# Altium PCB PCB_Bluetooth_Device_nRF52820.PcbDoc (part 2 of 2)
Units mil, origin at the board's own origin, x right, y up, seen from the top; angles counter-clockwise.
Board outline 2593.5 x 2447.83 mil, 4 copper layers (Layer 1, Layer 2, Layer 3, Layer 4), stack 61.496 mil thick; 106 components, 60 nets, 322 pads, 357 vias.
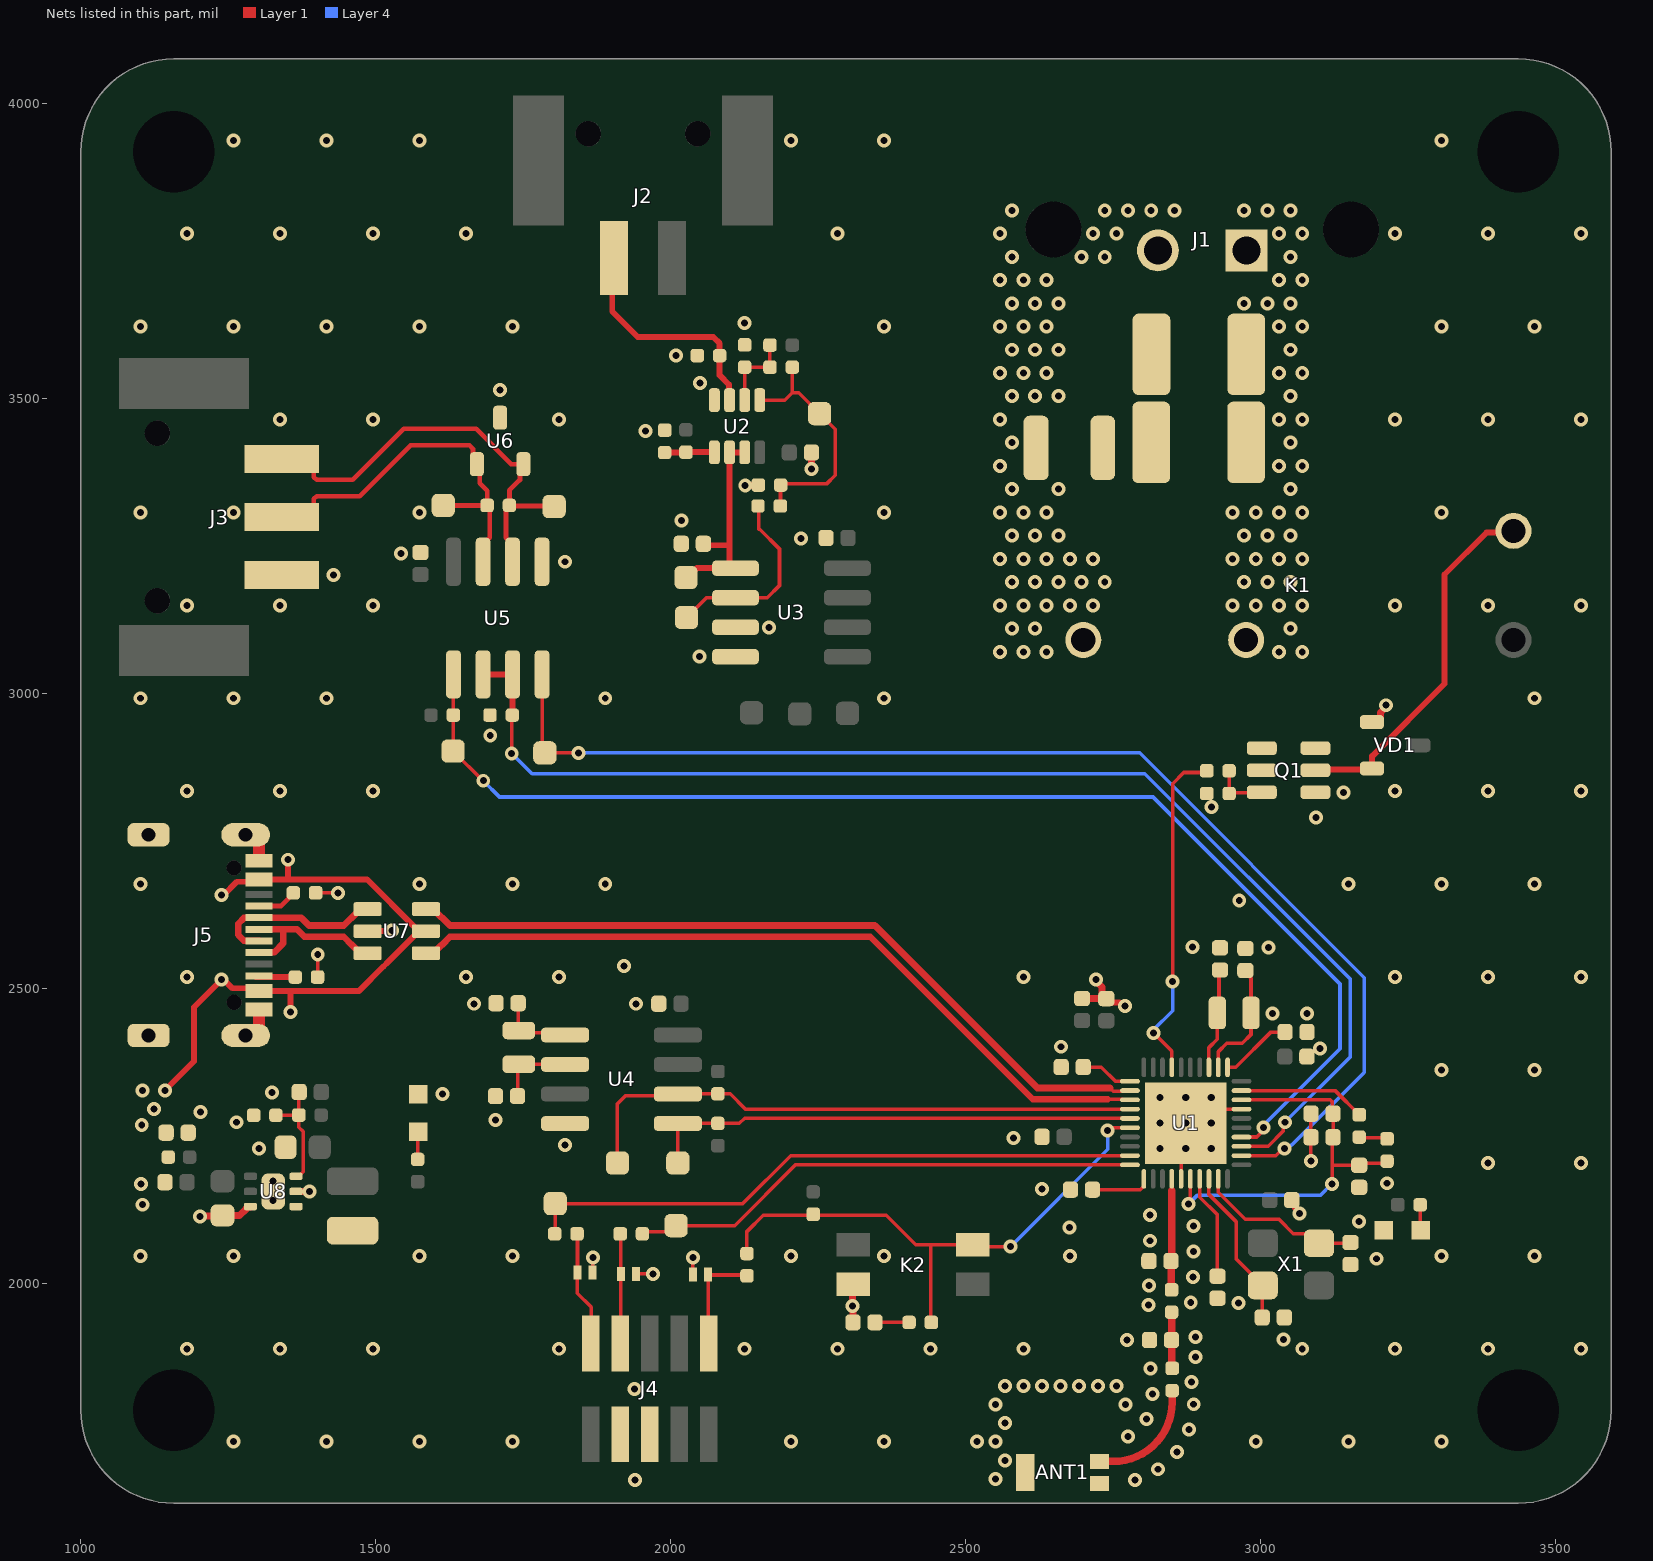
[diagram p4: the nets of this part, all layers, seen from the top]

## Via types
v1: diameter 23.62, hole 11.81, Layer 1 to Layer 4, tented both sides, 348 vias
v2: diameter 24, hole 12, Layer 1 to Layer 4, tented both sides, 9 vias

## Nets (pads, with @x,y where several pads share a name; then routed paths per layer and width w, separated by ;. In a path a pad name is that pad's centre, name@x,y a point inside that pad or via, vN(x,y) a via of type N, cw(c..) or ccw(c..) an arc to the next point about the centre after c; other vN are vias at no path point) (continued)
GND: ANT1.G1 ANT1.G2 C1.2 C2.1 C3.1 C4.1 C5.2 C6.1 C7.1 C8.1 C11.2 C12.1 C13.2 C14.1 C15.1 C16.1 C17.1 C18.1 C19.2 C20.1 C21.1 C22.1 C23.1 C24.1 C25.2 C26.1 C27.1 C28.2 C29.1 C30.1 C31.1 C33.1 J3.3 J4.3 J4.5 J5.A1_B12 J5.B1_A12 J5.SH1 J5.SH2 J5.SH3 J5.SH4 K2.1 Q1.3 R2.1 R6.1 R9.1 R11.1 R12.1 R22.1 R24.1 R25.1 R26.1 U1.25 U1.37 U1.41 U2.4 U3.3 U3.4 U4.4 U5.5 U6.3 U7.2 U8.2 U8.6 U8.7 VD1.1 VD2.1 VD3.2 VD4.2 VD5.2 VD6.1 | length 934.8
  Layer 1 w6: R25.1@1399.02,2662.4 v1(1437.01,2662.4) ; R26.1@1402.28,2519.68 1402.42,2519.82 1402.42,2557.93 v1(1402.56,2558.07) ; VD5.2@1868.11,2018.7 1868.6,2019.19 1868.6,2043.85 v1(1869.09,2044.34) ; VD4.2@1941.93,2016.73 v1(1970.47,2016.73) ; VD3.2@2038.39,2015.75 v1(2038.39,2044.34) ; v1(3085.63,2207.68) 3085.65,2248.19 C3.1@3085.67,2288.21
  Layer 1 w6.06: U1.25@2865.55,2177.71 2865.55,2221.02 v2(2873.42,2228.89) ; v2(2916.73,2315.5) 2936.42,2295.82 U1.37@2967.91,2295.82
  Layer 1 w10: U7.2@1487.2,2597.44 1487.7,2597.93 1528.05,2597.93 v1(1528.54,2598.43) ; C16.1@2738.84,2483.14 2745.75,2476.23 2761.22,2476.23 2766.98,2470.47 v1(2770.67,2470.47)
  Layer 1 w11.81: v1(1202.76,2114.17) 1203.58,2115 1240.31,2115 C31.1@1241.14,2115.83 1270.32,2115.83 1280.66,2126.17 1280.66,2127.51 1283.91,2130.76 U8.6@1288.57,2130.76 U8.6@1288.97,2130.37 ; U8.2@1365.74,2156.35 1365.81,2156.43 1388.71,2156.43 v1(1388.78,2156.5) ; v1(2126.97,3352.36) 2127.46,3352.85 2148.72,3352.85 R9.1@2149.21,3353.35 ; v1(2239.17,3380.91) C20.1@2239.17,3408.46 ; C28.2@2309.58,1934.48 2309.32,1934.74 2309.32,1962.33 v1(2309.06,1962.6) 2309.06,1998.17 K2.1@2309.91,1999.02 ; C18.1@2697.84,2483.44 2697.99,2483.29 C16.1@2738.36,2483.29 ; v1(2721.46,2515.75) 2721.46,2512.55 2731.49,2502.52 2731.49,2490.16 C16.1@2738.36,2483.29 ; C16.1@2738.84,2483.14 2738.51,2483.14 C16.1@2738.36,2483.29 ; C7.1@3053.15,2141.73 3059.71,2135.17 3059.71,2128.33 3065.92,2122.12 v1(3065.92,2118.93) ; VD1.1@3188.98,2951.77 3197.44,2951.77 3203.35,2957.68 3203.35,2967.87 3212.6,2977.12 v1(3212.6,2980.32)
  Layer 1 w20: J5.SH2@1280.51,2420.67 1289.58,2420.67 1303.15,2434.24 J5.B1_A12@1303.15,2464.76 ; J5.SH1@1280.51,2760.83 1289.58,2760.83 1303.15,2747.26 J5.A1_B12@1303.15,2716.73
  other v1: 1939.96,1667.32 2787.41,1667.41 2551.18,1669.29 2826.71,1685.59 2566.93,1700.79 2858.35,1715.16 1259.84,1732.28 1417.32,1732.28 1574.8,1732.28 1732.28,1732.28 2204.72,1732.28 2362.2,1732.28 2519.68,1732.28 2551.18,1732.29 2992.13,1732.28 3149.61,1732.28 3307.09,1732.28 2775.85,1740.9 2879.14,1753.16 2566.93,1763.78 2807.03,1770.96 2551.18,1795.28 2771.66,1795.28 2886.99,1795.74 2816.93,1813.12 1938.98,1821.85 2566.93,1826.77 2598.43,1826.77 2629.92,1826.77 2661.42,1826.77 2692.92,1826.77 2724.41,1826.77 2755.91,1826.77 2882.87,1833.66 2813.89,1856.32 2889.76,1875.98 1181.1,1889.76 1338.58,1889.76 1496.06,1889.76 1811.02,1889.76 2125.98,1889.76 2283.46,1889.76 2440.94,1889.76 2598.42,1889.76 3070.87,1889.76 3228.35,1889.76 3385.83,1889.76 3543.31,1889.76 2773.62,1904.53 3039.37,1905.51 2889.76,1909.45 2810.04,1963.58 2881.93,1968.2 2962.6,1967.52 2811.02,1997.05 2885.96,2011.32 3196.85,2042.32 1102.36,2047.24 1259.84,2047.24 1574.8,2047.24 1732.28,2047.24 2204.72,2047.24 2362.2,2047.24 2677.17,2047.24 3307.09,2047.24 3464.57,2047.24 2886.35,2054.63 2813.25,2072.84 2676.18,2095.47 2886.35,2097.93 3167.32,2105.32 2813.25,2116.15 1105.32,2133.86 1326.77,2140.75 2629.92,2160.43 1103.35,2169.29 3214.57,2170.28 1326.77,2174.21 3385.83,2204.72 3543.31,2204.72 1303.15,2229.33 1821.85,2235.24 2581.69,2247.05 1264.76,2273.62 1703.74,2277.56 1203.74,2291.34 1614.17,2321.85 1324.8,2323.82 3307.09,2362.2 3464.57,2362.2 3100.78,2398.41 2662.4,2401.57 3020.67,2457.68 3078.74,2457.68 1667.32,2474.41 1941.93,2474.41 1181.1,2519.68 1653.54,2519.68 1811.02,2519.68 2598.42,2519.68 3228.35,2519.68 3385.83,2519.68 3543.31,2519.68 1921.26,2538.39 3013.78,2569.88 2884.84,2570.87 2964.1,2649.14 1102.36,2677.17 1574.8,2677.17 1732.28,2677.17 1889.76,2677.17 3149.61,2677.17 3307.09,2677.17 3464.57,2677.17 3094.49,2790.35 2916.78,2807.53 3140.75,2832.68 1181.1,2834.65 1338.58,2834.65 1496.06,2834.65 3228.35,2834.65 3385.83,2834.65 3543.31,2834.65 1694.88,2929.13 1102.36,2992.13 1259.84,2992.13 1417.32,2992.13 1889.76,2992.13 2362.2,2992.13 3464.57,2992.13 2049.21,3062.99 2167.32,3112.2 1181.1,3149.61 1338.58,3149.61 1496.06,3149.61 3228.35,3149.61 3385.83,3149.61 3543.31,3149.61 1429.13,3200.79 1821.85,3223.43 1543.31,3237.2 2221.46,3262.8 2018.7,3293.31 1102.36,3307.09 1259.84,3307.09 1574.8,3307.09 2362.2,3307.09 3307.09,3307.09 1957.68,3444.88 1338.58,3464.57 1496.06,3464.57 1811.02,3464.57 3228.35,3464.57 3385.83,3464.57 3543.31,3464.57 1711.61,3514.76 2050.2,3526.57 2009.84,3572.83 1102.36,3622.05 1259.84,3622.05 1417.32,3622.05 1574.8,3622.05 1732.28,3622.05 2362.2,3622.05 3307.09,3622.05 3464.57,3622.05 2125.98,3627.95 1181.1,3779.53 1338.58,3779.53 1496.06,3779.53 1653.54,3779.53 2283.46,3779.53 3228.35,3779.53 3385.83,3779.53 3543.31,3779.53 1259.84,3937.01 1417.32,3937.01 1574.8,3937.01 2204.72,3937.01 2362.2,3937.01 3307.09,3937.01
  other v2: 2830.12,2228.89 2916.73,2228.89 2830.12,2272.2 2873.42,2272.2 2916.73,2272.2 2830.12,2315.5 2873.42,2315.5
I2C_SCL: R20.2 TP10.1 U1.14 U4.6 | length 986.6
  Layer 1 w6: TP10.1@1910.43,2204.72 1910.43,2305.12 1924.21,2318.9 2010.24,2318.9 U4.6@2012.8,2321.46 2012.99,2321.65 2080.51,2321.65 R20.2@2080.71,2321.85 2101.38,2321.85 2127.41,2295.82 U1.14@2778.94,2295.82
I2CSDA: R19.2 TP11.1 U1.15 U4.5 | length 836.9
  Layer 1 w6: TP11.1@2012.8,2204.72 U4.5@2012.8,2271.46 2012.89,2271.56 2080.61,2271.56 R19.2@2080.71,2271.65 2117.13,2271.65 2126.13,2280.65 2749.76,2280.65 2750.34,2280.07 U1.15@2778.94,2280.07
NetANT1_FEED: ANT1.FEED L4.2 | length 200.2
  Layer 1 w12.65: ANT1.FEED@2727.36,1698.82 2750.39,1698.82 ccw(c2750.39,1798.82) 2850.39,1798.82 L4.2@2850.39,1818.9
NetC1_1: C1.1 U1.29 X1.3 | length 273
  Layer 1 w6: U1.29@2928.54,2177.71 2928.54,2155.12 2974.41,2109.25 3031.5,2109.25 3055.83,2084.92 3083.1,2084.92 X1.3@3099.3,2068.72 C1.1@3143.16,2068.72
NetC2_2: C2.2 C3.2 C13.1 L1.2 U1.26 U1.38 | length 693.4
  Layer 1 w6: v1(2877.78,2134.74) 2880.94,2137.89 2880.94,2177.35 U1.26@2881.3,2177.71 ; U1.38@2967.91,2311.57 3118.53,2311.57 3122.05,2308.05 3122.05,2289.24 C3.2@3123.07,2288.21 C2.2@3123.07,2248.21 3122.07,2247.21 3122.07,2199.8 ; v1(3121.06,2169.29) 3122.07,2170.29 3122.07,2199.8 ; L1.2@3214.57,2207.68 3211.12,2204.23 3170.77,2204.23 C13.1@3167.32,2200.79 3123.05,2200.79 3122.07,2199.8
  Layer 4 w6: v1(2877.78,2134.74) 2892.65,2149.61 3101.38,2149.61 v1(3121.06,2169.29)
NetC4_2: C4.2 U1.2 X2.1 | length 206
  Layer 1 w6: U1.2@2928.9,2367.04 2928.9,2393.47 2942.91,2407.48 2969.34,2407.48 2984.07,2422.21 X2.1@2984.07,2458.85 2984.07,2517.22 2982.96,2518.33 2982.96,2522.26 C4.2@2974.5,2530.73
NetC5_1: C5.1 U1.28 X1.1 | length 271.5
  Layer 1 w6: U1.28@2912.79,2177.71 2912.79,2151.25 2958.66,2105.38 2958.66,2042.43 X1.1@3004.02,1997.06 ; C5.1@3002.96,1942.89 X1.1@3002.96,1996
NetC8_2: C8.2 U1.3 X2.2 | length 172.8
  Layer 1 w6: U1.3@2912.79,2366.69 2912.79,2400.21 2926.98,2414.4 X2.2@2926.98,2458.85 2929.8,2461.67 2929.8,2530.03 C8.2@2931.5,2531.73
NetC9_1: C9.1 C10.1 R3.2
NetC11_1: C11.1 U1.27 | length 177.4
  Layer 1 w6: U1.27@2897.05,2177.71 2897.05,2146.72 2927.17,2116.6 C11.1@2927.17,2012.8
NetC12_2: C12.2 U1.1 | length 122
  Layer 1 w6.06: U1.1@2944.29,2366.69 2958.12,2366.69 3017.91,2426.48 C12.2@3041.53,2426.48
NetC14_2: C14.2 L3.1 U1.24 | length 189.1
  Layer 1 w6.89: 2849.8,2157.67 U1.24@2849.8,2177.71
  Layer 1 w12.64: L3.1@2849.41,1989.57 2848.92,1990.06 2848.92,2037.89 C14.2@2848.43,2038.39 2849.41,2039.37 2849.41,2157.28 2849.8,2157.67
NetC15_2: C15.2 L3.2 L4.1 | length 95.5
  Layer 1 w12.65: L3.2@2849.41,1951.77 C15.2@2849.41,1904.53 2849.9,1904.04 2849.9,1857.18 L4.1@2850.39,1856.69
NetC17_2: C17.2 U1.21 | length 101.8
  Layer 1 w6.06: C17.2@2715.55,2159.45 2796.6,2159.45 2802.56,2165.4 U1.21@2802.56,2177.71
NetC22_2: C22.2 U1.11 | length 89.1
  Layer 1 w6: C22.2@2699.8,2367.13 2730.32,2367.13 2754.38,2343.06 U1.11@2778.94,2343.06
NetC26_2: C26.2 U4.1 X3.2 | length 128.5
  Layer 1 w6: C26.2@1742.13,2475.39 1742.13,2430.2 X3.2@1743.32,2429 1747.09,2425.23 1818.08,2425.23 U4.1@1821.85,2421.46
NetC27_2: C27.2 U4.2 X3.1 | length 133.6
  Layer 1 w6: C27.2@1741.14,2317.91 1741.14,2369.73 X3.1@1743.32,2371.91 1743.55,2371.69 1821.62,2371.69 U4.2@1821.85,2371.46
NetC28_1: C28.1 R18.2 | length 57.6
  Layer 1 w6: C28.1@2346.98,1934.48 R18.2@2404.6,1934.48
NetC32_1: C32.1 R23.1 R24.2 U8.3 | length 192.9
  Layer 1 w6: R24.2@1331.69,2285.43 1331.9,2285.64 1370.24,2285.64 R23.1@1370.45,2285.85 ; U8.3@1365.74,2181.95 1370.38,2181.95 1377.95,2189.51 1377.95,2257.87 1370.45,2265.38 R23.1@1370.45,2285.85 ; C32.1@1371.06,2324.8 1370.76,2324.5 1370.76,2286.16 R23.1@1370.45,2285.85
NetJ2_2: J2.2 R11.2 U2.3 | length 406.6
  Layer 1 w10: J2.2@1905.51,3745.08 1901.57,3741.14 1901.57,3647.64 1944.83,3604.38 2072.79,3604.38 2083.66,3593.5 R11.2@2083.66,3572.83 2083.66,3539.46 2099.26,3523.87 2099.26,3498.46 U2.3@2100.35,3497.37
NetJ4_2: J4.2 R14.1 VD5.1 | length 200.2
  Layer 1 w6: R14.1@1842.91,2088.58 1842.72,2088.39 1842.72,2018.9 VD5.1@1842.52,2018.7 1842.52,1983.86 1865.95,1960.43 1865.95,1899.61 J4.2@1864.96,1898.62
NetJ4_4: J4.4 R17.1 VD4.1 | length 157.2
  Layer 1 w6: J4.4@1914.96,1939.96 J4.4@1915.35,1940.35 ; R17.1@1914.96,2084.65 1915.65,2083.96 1915.65,2017.42 VD4.1@1916.34,2016.73 J4.4@1916.34,1928.54
NetJ4_10: J4.10 R21.1 VD3.1 | length 158.3
  Layer 1 w6: J4.10@2062.99,1941.93 J4.10@2064.96,1939.96 ; J4.10@2063.98,1930.12 VD3.1@2063.98,2015.75 2064.96,2014.76 R21.1@2133.46,2014.76
NetJ5_A5: J5.A5 R25.2 | length 68.2
  Layer 1 w7.87: J5.A5@1303.15,2639.96 1340.22,2639.96 1345.79,2645.53 1345.79,2645.89 1361.22,2661.32 R25.2@1361.22,2662.4
NetJ5_B5: J5.B5 R26.2 | length 67.6
  Layer 1 w10.26: J5.B5@1297.24,2520.87 1298.02,2520.09 R26.2@1364.49,2520.09
NetK1_4: K1.4 Q1.2 VD1.2 | length 624.1
  Layer 1 w10: Q1.2@3093.24,2870.17 3094.67,2871.6 3187.55,2871.6 3189.26,2873.32 3189.26,2893.98 3312.01,3016.73 3312.01,3201.77 3383.3,3273.06 3426.11,3273.06 K1.4@3428.8,3275.75
NetL1_1: L1.1 L2.2 | length 48.5
  Layer 1 w6: L2.2@3167.37,2248.53 3168.9,2247 3213.04,2247 L1.1@3214.57,2245.47
NetL2_1: L2.1 U1.39 | length 216.4
  Layer 1 w6: U1.39@2967.91,2327.32 3126.38,2327.32 L2.1@3167.37,2286.32
NetL5_1: L5.1 U8.1
NetQ1_1: Q1.1 R1.2 R2.2 | length 94.7
  Layer 1 w6: R1.2@2946.85,2869.09 R2.2@2946.85,2830.71 2947.88,2831.74 3001.27,2831.74 Q1.1@3002.3,2832.77
NetR4_1: R4.1 R5.1 R6.2 U2.2 | length 136.1
  Layer 1 w6: U2.2@2125.96,3497.39 R6.2@2125.98,3553.15 ; R6.2@2125.98,3553.15 R5.1@2168.9,3553.15 R4.1@2168.9,3590.55
NetR7_2: R7.2 TP4.1 U3.2 | length 330.7
  Layer 1 w6: TP4.1@2027.56,3128.94 2061.22,3162.6 U3.2@2110.43,3162.6 2164.57,3162.6 2185.04,3183.07 2185.04,3245.08 2151.57,3278.54 2150.17,3278.54 2150.17,3316.37 R7.2@2148.62,3317.91
NetR8_2: R8.2 VD2.2 | length 43.7
  Layer 1 w6: R8.2@3270.67,2133.86 3270.67,2091.54 VD2.2@3271.65,2090.55
NetR10_1: R10.1 R12.2 U2.5 | length 84.7
  Layer 1 w10: R12.2@1990.46,3408.55 1990.75,3408.84 2026.18,3408.84 R10.1@2026.46,3409.13 2074.42,3409.13 U2.5@2074.76,3408.79
NetR27_2: R27.2 VD6.2 | length 47.7
  Layer 1 w6.06: R27.2@1571.85,2210.63 1571.85,2256.89 VD6.2@1572.83,2257.87
nRESET: K2.4 R15.1 R18.1 R21.2 U1.16 | length 955.2
  Layer 1 w6: R21.2@2129.92,2051.18 2129.92,2088.58 2157.48,2116.14 2365.72,2116.14 2415.92,2065.94 2441.07,2065.94 ; R18.1@2442.39,1934.48 2441.07,1935.8 2441.07,2065.94 ; K2.4@2512.2,2066.4 K2.4@2512.66,2065.95 ; v1(2576.77,2062.99) 2515.61,2062.99 K2.4@2512.66,2065.95 ; v1(2741.14,2259.84) 2745.91,2259.84 2750.39,2264.32 U1.16@2778.94,2264.32 ; 2441.07,2065.94 2446.85,2065.94 K2.4@2512.66,2065.95
  Layer 4 w6: v1(2576.77,2062.99) 2741.47,2227.69 2741.47,2259.51 v1(2741.14,2259.84)
OUTPUT_TEMP: R5.2 R7.1 R9.2 TP1.1 U2.1 | length 414.6
  Layer 1 w6: U2.1@2151.53,3497.37 2194.22,3497.37 2206.69,3509.84 ; R7.1@2186.71,3318.21 2186.71,3353.05 R9.2@2187.01,3353.35 2188.98,3355.31 2264.76,3355.31 2279.53,3370.08 2279.53,3447.83 TP1.1@2252.95,3474.41 2217.52,3509.84 2206.69,3509.84 ; R5.2@2206.69,3553.15 2206.69,3509.84
Phase_220ACV_IN: C9.2 C10.2 J1.1 K1.2
  other v1: 3031.5,3070.87 3070.87,3070.87 3051.18,3110.24 2952.76,3149.61 2992.13,3149.61 3031.5,3149.61 3070.87,3149.61 2972.44,3188.98 3011.81,3188.98 3051.18,3188.98 2952.76,3228.35 2992.13,3228.35 3031.5,3228.35 3070.87,3228.35 2972.44,3267.72 3011.81,3267.72 3051.18,3267.72 2952.76,3307.09 2992.13,3307.09 3031.5,3307.09 3070.87,3307.09 3051.18,3346.46 3031.5,3385.83 3070.87,3385.83 3051.18,3425.2 3031.5,3464.57 3070.87,3464.57 3051.18,3503.94 3031.5,3543.31 3070.87,3543.31 3051.18,3582.68 3031.5,3622.05 3070.87,3622.05 2972.44,3661.42 3011.81,3661.42 3051.18,3661.42 3031.5,3700.79 3070.87,3700.79 3051.18,3740.16 3031.5,3779.53 3070.87,3779.53 2972.44,3818.9 3011.81,3818.9 3051.18,3818.9
Phase_220ACV_OUT: J1.2 K1.1 R3.1
  other v1: 2559.06,3070.87 2598.43,3070.87 2637.8,3070.87 2578.74,3110.24 2618.11,3110.24 2559.06,3149.61 2598.43,3149.61 2637.8,3149.61 2677.17,3149.61 2716.54,3149.61 2578.74,3188.98 2618.11,3188.98 2657.48,3188.98 2696.85,3188.98 2736.22,3188.98 2559.06,3228.35 2598.43,3228.35 2637.8,3228.35 2677.17,3228.35 2716.54,3228.35 2578.74,3267.72 2618.11,3267.72 2657.48,3267.72 2559.06,3307.09 2598.43,3307.09 2637.8,3307.09 2578.74,3346.46 2657.48,3346.46 2559.06,3385.83 2578.74,3425.2 2559.06,3464.57 2578.74,3503.94 2618.11,3503.94 2657.48,3503.94 2559.06,3543.31 2598.43,3543.31 2637.8,3543.31 2578.74,3582.68 2618.11,3582.68 2657.48,3582.68 2559.06,3622.05 2598.43,3622.05 2637.8,3622.05 2578.74,3661.42 2618.11,3661.42 2657.48,3661.42 2559.06,3700.79 2598.43,3700.79 2637.8,3700.79 2578.74,3740.16 2696.85,3740.16 2736.22,3740.16 2559.06,3779.53 2716.54,3779.53 2755.91,3779.53 2578.74,3818.9 2736.22,3818.9 2775.59,3818.9 2814.96,3818.9 2854.33,3818.9
Relay_Switch: R1.1 U1.7 | length 567.4
  Layer 1 w6: v1@2823.35,2420.75 2849.8,2394.29 U1.7@2849.8,2366.69 ; v1(2851.38,2512.18) 2851.38,2847.44 2870.27,2866.33 2906.29,2866.33 R1.1@2909.05,2869.09
  Layer 4 w6: v1(2818.9,2425.2) 2818.9,2430.12 2851.38,2462.6 v1(2851.38,2512.18)
RS485_DI: TP13.1 U1.32 U5.4 | length 2109.8
  Layer 1 w6: U5.4@1782.68,3032.48 1782.68,2904.33 TP13.1@1787.4,2899.61 v1(1844.49,2899.61) ; U1.32@2967.91,2217.08 3026.13,2217.08 3039.36,2230.31 v1(3040.65,2229.03)
  Layer 4 w6: v1(1844.49,2899.61) 1874.02,2899.61 2795.28,2899.61 3176.18,2518.7 3176.18,2358.06 3052.62,2234.49 3050.87,2234.49 3045.41,2229.03 v1(3040.65,2229.03)
RS485_DIR: R22.2 U1.33 U5.2 U5.3 | length 2149.7
  Layer 1 w6: v1@1731.49,2898.81 1731.49,2962.01 R22.2@1732.67,2963.19 ; U1.33@2967.91,2232.83 3012.97,2232.83 3038.84,2258.69 3038.84,2271.12 v1(3041.34,2273.62)
  Layer 1 w10: U5.2@1682.38,3032.19 U5.2@1682.68,3032.48 U5.3@1732.68,3032.48 1732.48,3032.28 R22.2@1732.48,2963.78
  Layer 4 w6: v1(1731.3,2898.62) 1765.75,2864.17 2804.13,2864.17 3152.56,2515.75 3152.56,2384.84 v1(3041.34,2273.62)
RS485_RO: R13.1 TP7.1 U1.34 U5.1 | length 2140.3
  Layer 1 w6.06: U5.1@1632.68,3032.48 1632.48,3032.28 1632.48,2963.78 R13.1@1632.28,2963.58 1632.28,2902.95 TP7.1@1631.89,2902.56 1632.38,2902.56 1682.58,2852.36 v1(1683.07,2852.36) ; U1.34@2967.91,2248.58 2993.74,2248.58 3001.56,2256.4 3001.56,2261.4 v1(3004.92,2264.76)
  Layer 4 w6.06: v1(1683.07,2852.36) 1710.63,2824.8 2817.91,2824.8 3134.84,2507.87 3134.84,2398.16 3004.92,2268.24 v1(3004.92,2264.76)
RS485Output_N: J3.2 R16.1 TP9.1 U5.7 U6.1 | length 666.4
  Layer 1 w7.96: J3.2@1341.54,3299.21 1376.41,3299.21 1396.05,3318.86 1396.05,3329.94 1400.72,3334.6 1473.51,3334.6 1559.9,3420.99 1659.75,3420.99 1665.6,3415.14 1665.6,3395.42 1676.9,3384.13 1676.9,3356.57 1689.57,3343.9 R16.1@1689.57,3318.9 ; TP9.1@1615.16,3318.9 1688.4,3318.9 1688.98,3319.48 R16.1@1689.57,3318.9 ; U5.7@1682.68,3223.43 1682.68,3253.04 1693.86,3264.22 1693.86,3314.61 R16.1@1689.57,3318.9
RS485Output_P: J3.1 R16.2 TP14.1 U5.6 U6.2 | length 749.9
  Layer 1 w7.96: J3.1@1341.54,3397.64 1376.41,3397.64 1396.05,3377.99 1396.05,3366.91 1400.72,3362.25 1462.06,3362.25 1548.45,3448.63 1671.2,3448.63 1700.65,3419.19 1700.65,3418.23 1730.1,3388.78 U6.2@1750.98,3388.78 1745.14,3382.94 1745.14,3362.1 1727.36,3344.32 R16.2@1727.36,3319.57 ; U5.6@1732.68,3223.43 1732.68,3253.04 1721.5,3264.22 1721.5,3313.03 R16.2@1727.36,3318.9 1728.35,3317.91 1802.17,3317.91 TP14.1@1803.15,3316.93
SWDCLK: R17.2 TP12.1 U1.20 | length 874.5
  Layer 1 w6: R17.2@1952.76,2084.65 1956.22,2088.11 1999.53,2088.11 TP12.1@2009.84,2098.43 2109.25,2098.43 2212.16,2201.33 U1.20@2778.94,2201.33
SWDIO: R14.2 TP8.1 U1.19 | length 1054.7
  Layer 1 w6: R14.2@1805.12,2088.58 TP8.1@1805.12,2135.83 2123.03,2135.83 2204.28,2217.08 U1.19@2778.94,2217.08
USBin_D_N: J5.A7 J5.B7 U7.1 | length 299.4
  Layer 1 w11.22: J5.A7@1303.15,2580.91 1302.85,2581.2 1277.58,2581.2 1267.72,2591.06 1267.72,2610.12 1277.58,2619.98 1302.85,2619.98 J5.B7@1303.15,2620.28 1303.45,2619.98 1374.84,2619.98 1387.83,2606.99 1446.6,2606.99 1460.28,2620.66 1460.82,2620.66 1475,2634.84 U7.1@1487.2,2634.84
USBin_D_P: J5.A6 J5.B6 U7.3 | length 272.4
  Layer 1 w11.22: J5.B6@1303.15,2561.22 1303.45,2561.52 1328.72,2561.52 1343.85,2576.65 1343.85,2600.89 ; J5.A6@1303.15,2600.59 1303.45,2600.89 1320.78,2600.89 1343.85,2600.89 ; U7.3@1487.2,2560.04 1475,2560.04 1460.82,2574.22 1460.28,2574.22 1446.6,2587.9 1379.93,2587.9 1366.93,2600.89 1343.85,2600.89
USBout_D_N: U1.12 U7.6 | length 1321.1
  Layer 1 w5.98: 2745.17,2331.6 2750.4,2326.37 2764.68,2326.37 2765.63,2327.32 U1.12@2778.94,2327.32
  Layer 1 w11.22: U7.6@1586.02,2634.84 1598.23,2634.84 1612.41,2620.66 1612.95,2620.66 1626.63,2606.99 2346.75,2606.99 2622.14,2331.6 2745.17,2331.6
USBout_D_P: U1.13 U7.4 | length 1318.9
  Layer 1 w5.98: 2740.81,2312.51 2764.68,2312.51 2765.63,2311.57 U1.13@2778.94,2311.57
  Layer 1 w11.22: U7.4@1586.02,2560.04 1598.23,2560.04 1612.41,2574.22 1612.95,2574.22 1626.63,2587.9 2338.85,2587.9 2614.23,2312.51 2740.81,2312.51
V_REF: C19.1 TP2.1 U2.6 U2.7 U3.1 | length 357.5
  Layer 1 w10: TP2.1@2029.2,3196.85 2044.94,3212.6 2102.37,3212.6 U3.1@2106.76,3212.6 ; C19.1@2056.1,3253.94 2058.61,3251.43 2100.35,3251.43 ; U3.1@2110.43,3212.6 U3.1@2106.76,3212.6 ; U2.7@2125.94,3408.79 U2.6@2100.35,3408.79 2100.35,3251.43 ; 2100.35,3251.43 2100.35,3219.01 U3.1@2106.76,3212.6
VBUS: C29.2 FB1.1 J5.A4_B9 J5.B4_A9 U7.5 | length 1076.3
  Layer 1 w10: v1(1143.7,2327.76) 1192.91,2376.97 1192.91,2468.5 1239.17,2514.76 v1(1239.17,2515.75) 1242.86,2515.75 1257.84,2500.76 1298.65,2500.76 J5.B4_A9@1303.15,2496.26 1354.33,2496.26 ; v1(1239.17,2658.46) 1242.86,2658.46 1265.51,2681.12 1299.03,2681.12 J5.A4_B9@1303.15,2685.24 1352.36,2685.24 ; v1(1352.36,2718.5) 1352.36,2685.24 ; v1(1356.3,2460.63) 1356.3,2494.29 1354.33,2496.26 ; U7.5@1586.02,2597.44 U7.5@1573.82,2597.44 ; 1352.36,2685.24 1486.1,2685.24 1567.2,2604.13 1567.2,2604.06 U7.5@1573.82,2597.44 ; 1354.33,2496.26 1472.64,2496.26 1513.8,2537.43 1513.88,2537.43 1522.02,2545.57 1522.02,2545.65 U7.5@1573.82,2597.44
  other v1: 1104.33,2268.7 1125,2296.26 1105.32,2327.76
pads on no net: J1. J2. J2.SH1 J2.SH2 J3. J3.SH1 J3.SH2 J4.6 J4.7 J4.8 J4.9 J5. J5.A8 J5.B8 K2.2 K2.3 U1.17 U1.22 U1.23 U1.35 U1.36 U4.3 U4.7 X1.2 X1.4

## Polygon pours and split planes (outlines as drawn)
GND on Layer 1 "GND_L01_P064" (solid, remove dead copper, pour order 64): 996.71,4090.3 3591.91,4090.3 3592.83,1632.73 998.59,1643.1
NetC9_1 on Layer 1 "RC_220" (solid, pour order 60): 2712.6,3665.35 2712.6,3348.43 2848.43,3348.43 2856.3,3348.43 2856.3,3665.35
Phase_220ACV_OUT on Layer 1 "L1_220_out" (solid, pour order 49): 2763.78,3044.29 2763.78,3275.59 2683.07,3275.59 2683.07,3702.76 2868.11,3702.76 2868.11,3864.17 2545.28,3864.17 2545.28,3043.08
Phase_220ACV_IN on Layer 1 "L1_220_in" (solid, pour order 48): 2931.7,3038.96 2928.55,3861.22 3100.39,3861.22 3100.39,3035.15
VBUS on Layer 1 "DC_polygon" (solid, pour order 33): 1160.43,2202.76 1095.47,2202.76 1090.55,2202.76 1090.55,2344.49 1160.43,2344.49
NetK1_4 on Layer 1 "Solid" (solid, pour order 13): 2975.11,2914.08 2975.11,2863.47 ccw(c2981.94,2863.47) 2981.94,2856.64 3113.53,2856.64 ccw(c3113.53,2863.89) 3120.78,2863.89 3120.78,2913.67 ccw(c3112.85,2913.67) 3112.84,2921.6 2982.63,2921.6 ccw(c2982.63,2914.08)
5V on Layer 1 "DC_polygon" (solid, pour order 8): 1295.28,2147.64 1266.73,2147.64 1260.83,2153.54 1182.09,2153.54 cw(c1182.09,2168.31) 1167.32,2168.31 1167.32,2214.57 cw(c1184.06,2214.57) 1184.06,2231.3 1260.83,2231.3 1299.21,2192.91 1299.21,2149.61 cw(c1295.28,2152.56)
NetL5_1 on Layer 1 "DC_polygon" (solid, pour order 6): 1357.28,2138.78 1377.95,2138.78 1400.59,2116.14 1502.95,2116.14 cw(c1502.95,2111.22) 1507.87,2111.22 1507.87,2067.91 cw(c1503.94,2067.91) 1503.94,2063.98 1414.37,2063.98 1360.24,2063.98 cw(c1360.24,2069.88) 1354.33,2069.88 1354.33,2124.02 1354.33,2135.83 cw(c1357.28,2135.83)
3.3V on Layer 1 "DC_polygon" (solid, pour order 1): 1395.67,2251.97 1444.88,2251.97 1445.87,2252.95 1445.87,2254.92 1445.87,2344.49 1517.72,2344.49 1517.72,2160.43 cw(c1507.88,2160.43) 1507.87,2150.59 1427.17,2150.59 cw(c1427.16,2159.45) 1418.31,2159.45 1418.31,2210.63 1396.65,2210.63 cw(c1396.65,2219.85) 1387.44,2219.85 1387.44,2243.74 cw(c1395.67,2243.74)
VBUS on Layer 3 "VBUS_L03_P069" (solid, pour order 69): 1441.93,2738.68 1441.93,2477.36 1207.68,2243.11 1052.17,2243.11 1052.17,2735.72
3.3V on Layer 3 "L2_pvr" (solid, pour order 67): 1420.28,2375.98 1428.15,2368.11 1428.15,2071.85 3018.7,2071.85 3069.88,2123.03 3069.88,2422.24 2625.98,2422.24 2343.5,2704.72 2343.5,3515.75 2035.43,3823.82 1854.33,3823.82 1854.33,3290.35 1829.72,3265.75 1546.26,3265.75 1546.26,2819.88 1543.31,2816.93 1562.01,2798.23 1692.91,2798.23 1692.91,3117.13 1963.58,3117.13 1963.58,2377.08
GND on Layer 3 "tgr" (solid, remove dead copper, pour order 62): 1005.91,4079.23 3596.46,4079.23 3596.46,1631.4 1005.91,1631.4
Phase_220ACV_OUT on Layer 3 "L3_220_out" (solid, pour order 57): 2763.78,3044.29 2763.78,3275.59 2683.07,3275.59 2683.07,3702.76 2868.11,3702.76 2868.11,3864.17 2545.28,3864.17 2545.28,3043.08
Phase_220ACV_IN on Layer 3 "L3_220_in" (solid, pour order 56): 2931.7,3038.96 2928.55,3861.22 3100.39,3861.22 3100.39,3035.15
GND on Layer 2 "L2_GND" (solid, remove dead copper, pour order 61): 3593.68,4099.58 3593.68,1620.9 957.71,1619.42 973.39,4075.46
Phase_220ACV_OUT on Layer 2 "tgr" (solid, pour order 55): 2763.78,3044.29 2763.78,3275.59 2683.07,3275.59 2683.07,3702.76 2868.11,3702.76 2868.11,3864.17 2545.28,3864.17 2545.28,3043.08
Phase_220ACV_IN on Layer 2 "L2_220_in" (solid, pour order 54): 2931.7,3038.96 2928.55,3861.22 3100.39,3861.22 3100.39,3035.15
GND on Layer 4 "L2_GND" (solid, remove dead copper, pour order 63): 3608.59,4073.33 1000.98,4073.33 1000.98,1625.49 3578.74,1625.49 3593.52,1625.49
Phase_220ACV_OUT on Layer 4 "L4_220_out" (solid, pour order 59): 2763.78,3044.29 2763.78,3275.59 2683.07,3275.59 2683.07,3702.76 2868.11,3702.76 2868.11,3864.17 2545.28,3864.17 2545.28,3043.08
Phase_220ACV_IN on Layer 4 "L4_220_in" (solid, pour order 58): 2931.7,3038.96 2928.55,3861.22 3100.39,3861.22 3100.39,3035.15

## Keep-outs
Keep-Out Layer:
  lines w5: 3435.04,4075.79 1158.46,4075.79 ccw(c1158.46,3918.31) 1000.98,3918.31 1000.98,1785.43 ccw(c1158.46,1785.43) 1158.46,1627.95 3437.01,1627.95 ccw(c3437.01,1785.43) 3594.49,1785.43 3594.49,3918.31 ccw(c3437.01,3918.31) 3437.01,4075.79

## Other copper
Layer 1:
  pour cut-out: 1411.42,2150.59 1411.42,2116.14 1511.81,2116.14 1511.81,2150.59
  pour cut-out: 2856.47,1822.59 2858.35,1821.81 2862.91,1819.92 2865.1,1818.45 2868.39,1815.17 2870.03,1813.53 2871.5,1811.33 2871.95,1810.23 2873.83,1805.71 2873.86,1805.65 2873.87,1805.59 2874.16,1804.89 2874.23,1804.54 2874.35,1804.34 2874.45,1803.43 2874.68,1802.3 2874.68,1801.55 2875.22,1798.82 2875.08,1798.12 2875.17,1797.42 2873.85,1780.68 2873.47,1779.33 2873.41,1777.92 2869.49,1761.59 2868.9,1760.31 2868.63,1758.93 2862.2,1743.42 2861.42,1742.25 2860.93,1740.92 2852.16,1726.61 2851.2,1725.58 2850.51,1724.35 2839.61,1711.58 2838.5,1710.71 2837.63,1709.6 2824.87,1698.7 2823.64,1698.01 2822.6,1697.05 2808.29,1688.28 2806.96,1687.79 2805.79,1687.01 2790.28,1680.59 2788.9,1680.31 2787.62,1679.72 2771.3,1675.8 2769.89,1675.75 2768.53,1675.36 2751.8,1674.05 2751.09,1674.13 2750.39,1673.99 2749.39,1674.19 2727.36,1674.19 2725.64,1674.53 2723.88,1674.53 2721.29,1675.05 2715.95,1677.26 2714.85,1677.72 2712.65,1679.18 2711.01,1680.83 2707.73,1684.11 2706.26,1686.31 2704.37,1690.86 2703.59,1692.74 2703.08,1695.33 2703.08,1698.82 2703.08,1702.3 2703.59,1704.89 2705.8,1710.23 2706.26,1711.33 2707.73,1713.53 2709.37,1715.17 2712.65,1718.45 2714.85,1719.92 2719.4,1721.81 2721.29,1722.59 2723.88,1723.1 2725.64,1723.1 2727.36,1723.45 2750.32,1723.45 2765.1,1724.9 2779.23,1729.19 2792.26,1736.16 2803.68,1745.53 2813.06,1756.95 2820.02,1769.98 2824.31,1784.12 2825.93,1800.57 2826.11,1801.16 2826.11,1802.3 2826.62,1804.89 2827.4,1806.78 2829.29,1811.33 2830.76,1813.53 2834.04,1816.81 2835.68,1818.45 2835.69,1818.45 2837.88,1819.92 2838.99,1820.38 2844.32,1822.59 2846.91,1823.1 2850.39,1823.1 2853.88,1823.1
  pour cut-out: 2855.88,2201.48 2861.21,2199.27 2862.31,2198.81 2864.51,2197.35 2866.15,2195.7 2869.44,2192.42 2870.91,2190.22 2872.79,2185.67 2873.57,2183.78 2874.09,2181.19 2874.09,2179.43 2874.43,2177.71 2874.43,2039.76 2874.09,2038.04 2874.09,2036.28 2874.04,2036.03 2874.04,1989.57 2873.69,1987.84 2873.69,1986.08 2873.18,1983.49 2870.97,1978.16 2870.51,1977.05 2869.05,1974.86 2867.4,1973.22 2864.86,1970.67 2865.76,1969.77 2869.05,1966.48 2870.51,1964.28 2872.4,1959.73 2873.18,1957.85 2873.69,1955.26 2873.69,1953.5 2874.04,1951.77 2874.04,1909.92 2874.16,1909.62 2874.68,1907.03 2874.68,1905.27 2875.02,1903.54 2875.02,1856.69 2874.68,1854.97 2874.68,1853.21 2874.16,1850.62 2871.95,1845.29 2871.5,1844.18 2870.03,1841.98 2868.39,1840.34 2865.1,1837.06 2862.91,1835.59 2858.35,1833.7 2856.47,1832.92 2853.88,1832.41 2850.39,1832.41 2846.91,1832.41 2844.32,1832.92 2838.99,1835.13 2837.88,1835.59 2835.69,1837.06 2835.68,1837.06 2834.04,1838.7 2830.76,1841.98 2829.29,1844.18 2827.4,1848.73 2826.62,1850.62 2826.11,1853.21 2826.11,1854.97 2825.77,1856.69 2825.77,1898.15 2825.64,1898.45 2825.12,1901.04 2825.12,1902.8 2824.78,1904.53 2824.78,1951.77 2825.12,1953.5 2825.12,1955.26 2825.64,1957.85 2827.85,1963.18 2828.31,1964.28 2829.77,1966.48 2831.42,1968.12 2833.96,1970.67 2833.06,1971.57 2829.77,1974.86 2828.31,1977.05 2826.42,1981.61 2825.64,1983.49 2825.12,1986.08 2825.12,1987.84 2824.78,1989.57 2824.78,2037.4 2825.12,2039.13 2825.12,2040.89 2825.17,2041.13 2825.17,2177.71 2825.52,2179.43 2825.52,2181.19 2826.03,2183.78 2828.24,2189.12 2828.7,2190.22 2830.17,2192.42 2831.81,2194.06 2835.09,2197.35 2837.29,2198.81 2841.84,2200.7 2843.73,2201.48 2846.32,2201.99 2849.8,2201.99 2853.29,2201.99
  pour cut-out: 2837.6,2020.67 2837.6,2057.09 2821.85,2057.09 2821.85,2020.67
  pour cut-out: 2829.77,1962.6 2867.4,1962.6 2867.4,1978.35 2829.77,1978.35
  pour cut-out: 2869.09,1845.47 2832.68,1845.47 2832.68,1829.72 2869.09,1829.72
  pour cut-out: 2821.85,1922.24 2821.85,1885.83 2837.6,1885.83 2837.6,1922.24

## Text inside footprints (layer, text, board x,y; h text height)
J5: Top 3D Body "PCB EDGE" at 1017.52,2378.15 h16 r270